# Altium PCB LightLink_V3.PcbDoc (part 2 of 4)
Units mm, origin at the board's own origin, x right, y up, seen from the top; angles counter-clockwise.
Board outline 142 x 100 mm, 6 copper layers (Top Layer, GND, PWR, BRIDGE_1, BRIDGE_2, Bottom Layer), stack 0.816 mm thick; 380 components, 269 nets, 1515 pads, 309 vias.
Unrouted connection lines stored in the file: 109.
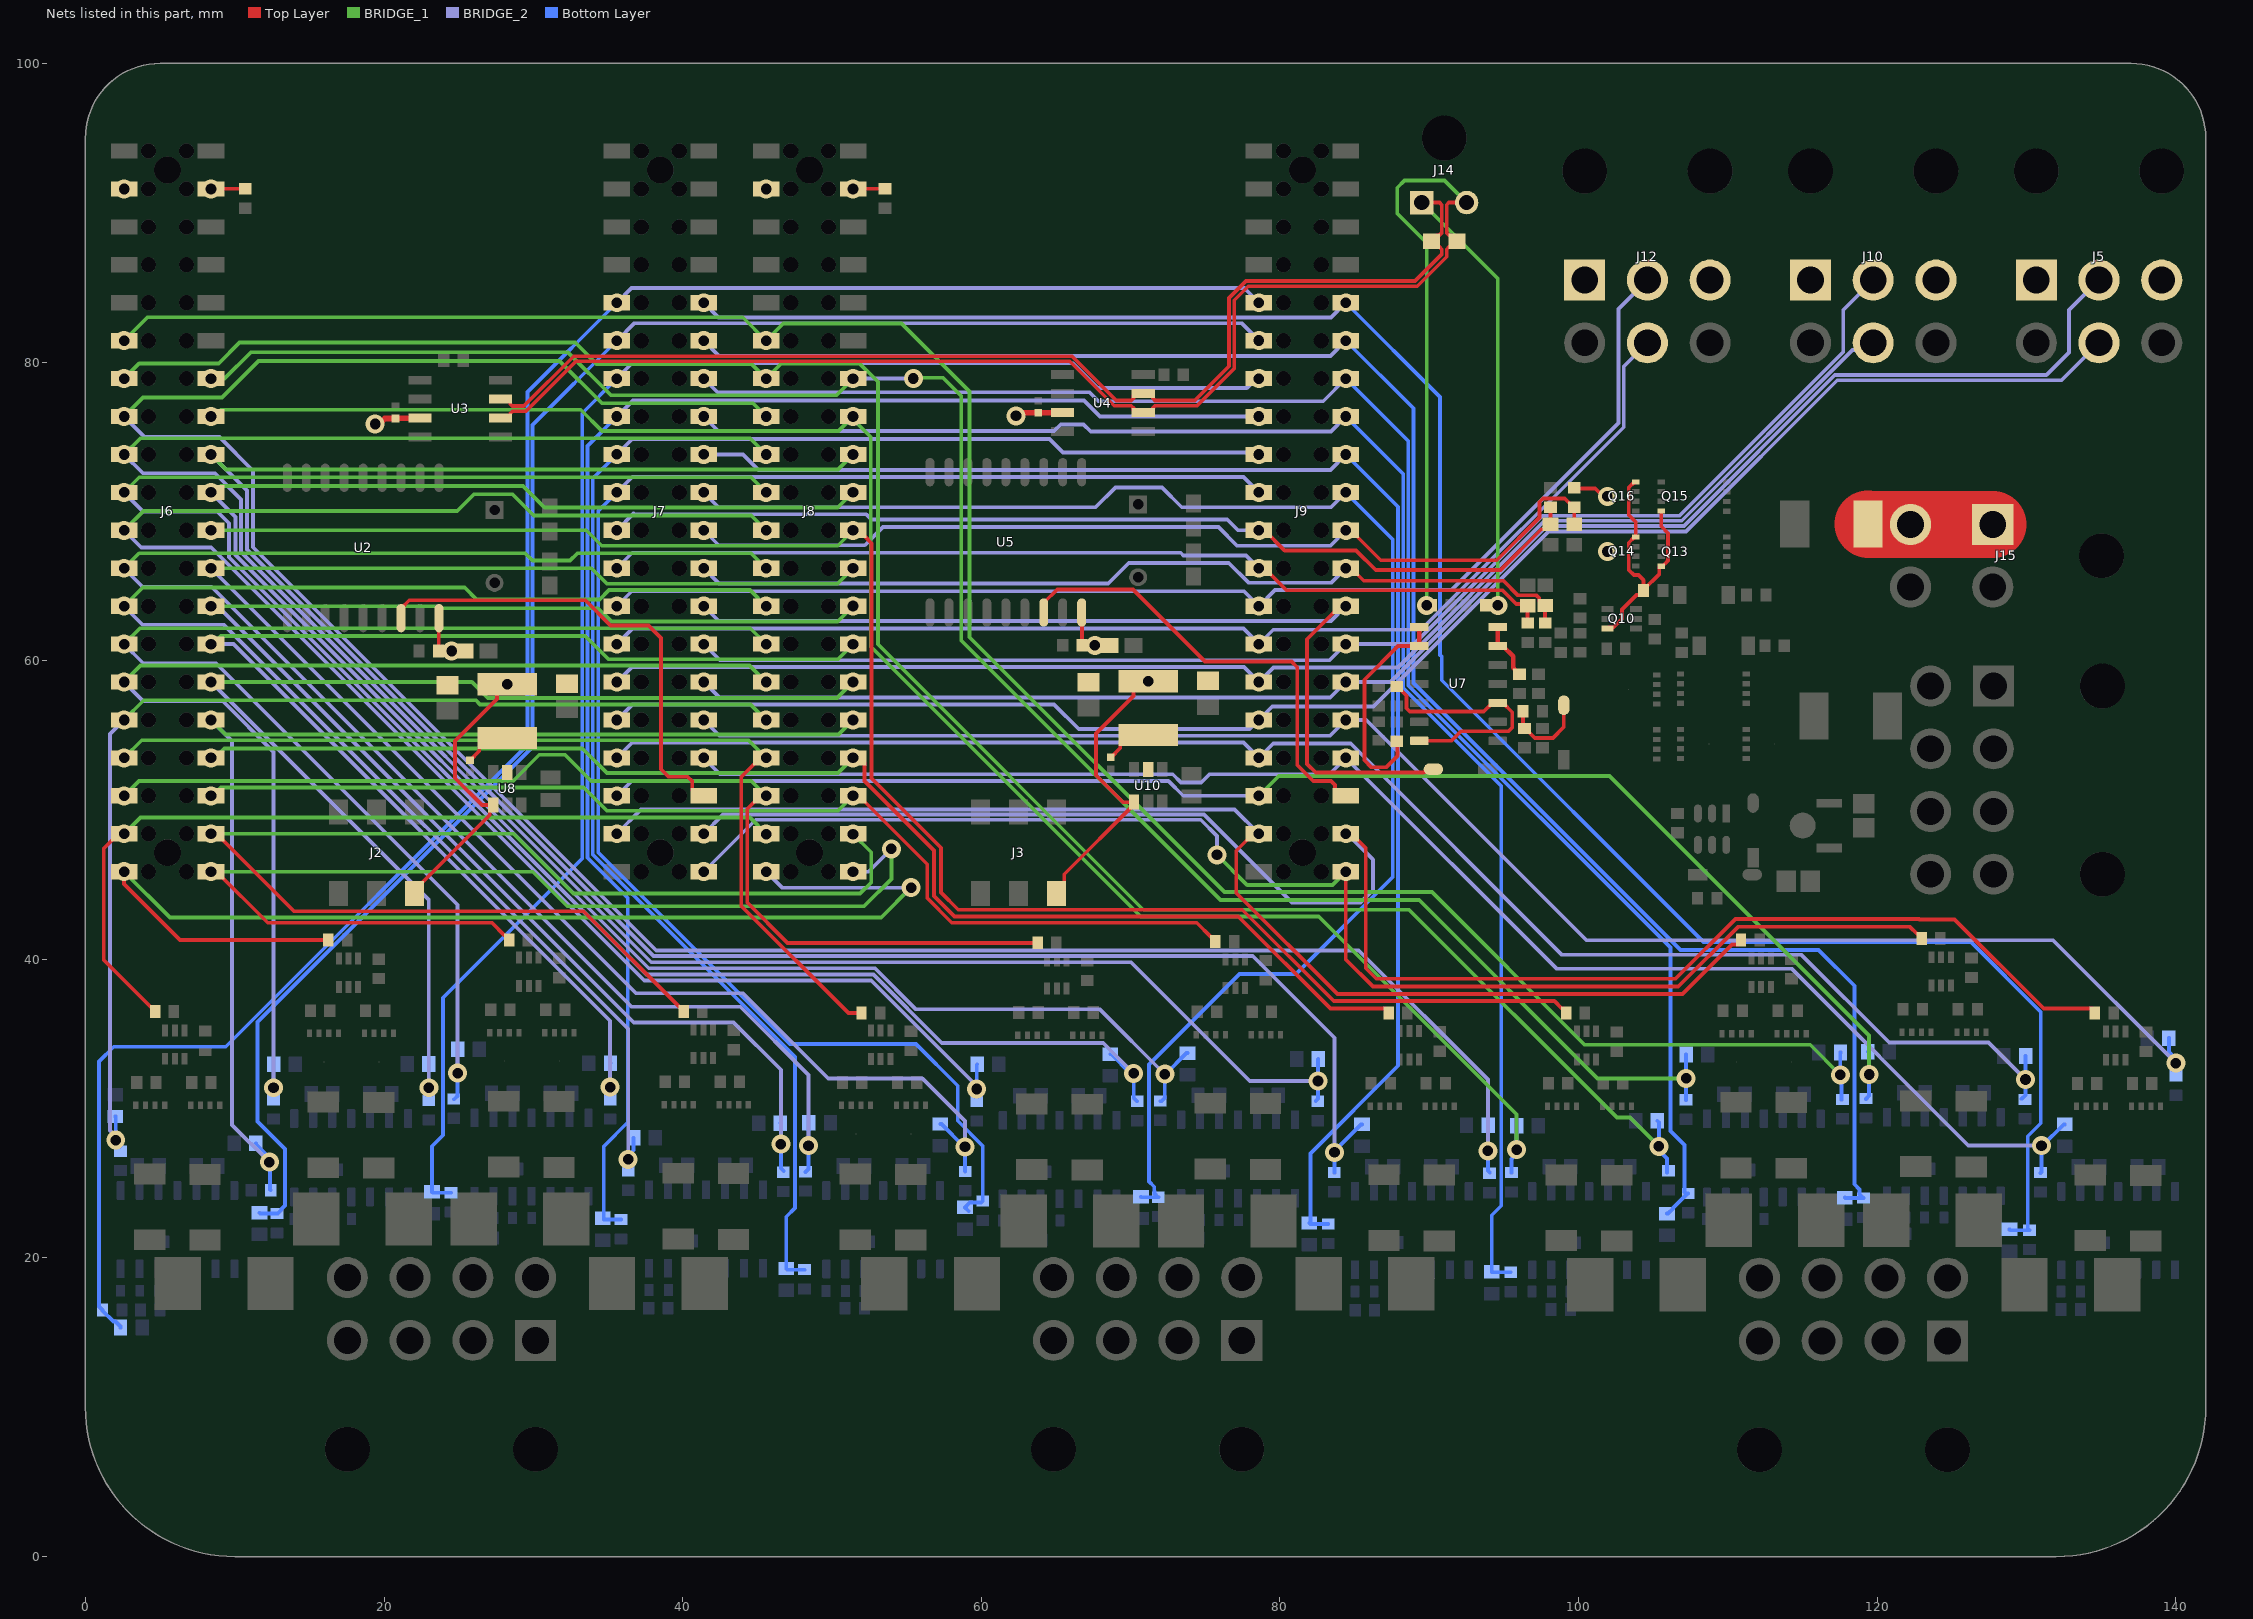
[diagram p6: the nets of this part, all layers, seen from the top]

## Part data
C1 C4 C5 C8 C9 C10: library part CMP-2006-02792-2, "Chip Multilayer Ceramic Capacitors for General Purpose, 0603, 10uF, X5R, 15%, 20%, 6.3V", Capacitance=10uF, Case Code (Imperial)=0603, Case Code (Metric)=1608, Dielectric=X5R, Max Operating Temperature=85°C, Min Operating Temperature=-55°C, Package Quantity=4000, Tolerance=20%, Voltage=6.3V, Case/Package=0603, Depth=0.8mm, Height=0.8mm, Lead Free="Lead Free", Length=1.6mm, Material=Ceramic, Mount="Surface Mount", Packaging="Tape and Reel", Radiation Hardening=No, REACH SVHC="No SVHC", Termination=SMD/SMT, Thickness=0.035inch, Voltage Rating=6.3V, Voltage Rating (DC)=6.3V, Width=0.031inch
C2 C3 C15 C20: library part CMP-2008-02046-2, "CAP CER 0.1UF 10V X5R 0402", Capacitance="0.10 μF", Manufacturer=Kemet, Package=C0402-BB, Temperature="-55°C to +125°C", Temperature Characteristic=X5R, Temperature Coefficient=15%, Temperature Range High=+125°C, Temperature Range Low=-55°C, Tolerance=0.1, Voltage Rating="10 V", Automotive=No, Category=Cap, ComponentLink2Description=Datasheet, ComponentLink2URL=https://content.kemet.com/datasheets/KEM_C1002_X7R_SMD.pdf, Device Class L1="Passive Components", Device Class L2=Capacitors, Device Class L3="Ceramic Capacitors", Digikey Description="CAP CER 0.1UF 10V X5R 0402", Height=0.55mm, Ipc Land Pattern Name=CAPC10050X50, Lead Free=Yes, Manufacturer Part Number=C0402C104K8PACTU, Material=Ceramic, Mouser Description="Capacitor 100 nF 10 VDC 0402", Octopart=https://octopart.com/c0402c104k8pactu-kemet-140039, RoHS=TRUE
C6 C7: library part CMP-2007-04514-2, Capacitance=2.2uF, Case Code (Imperial)=0805, Case Code (Metric)=2012, Dielectric=X7R, Max Operating Temperature=125°C, Min Operating Temperature=-55°C, Package Quantity=3000, Tolerance=10%, Voltage=25V, Case/Package=0805, Construction=Flat, Contact Plating=Tin, Depth=1.25mm, Height=1.52mm, Lead Free="Lead Free", Length=2.01mm, Mount="Surface Mount", Number of Pins=2, Packaging="Tape and Reel", Radiation Hardening=No, REACH SVHC="No SVHC", RoHS Compliant=Yes, Series=FlEXITERM, Termination=SMD/SMT, Thickness=0.06inch, Voltage Rating=25V, Voltage Rating (DC)=25V, Width=0.049inch
C12 C17: library part CMP-2007-03243-2, "CAP CER 10UF 10V X5R 0805", 3DS Part Number=220-00001, Capacitance=10uF, Manufacturer=Kemet, Package=C0805C-DG, Temperature="-55°C to +85°C", Temperature Characteristic=X5R, Temperature Coefficient=15%, Temperature Range High=+85°C, Temperature Range Low=-55°C, Tolerance=10%, Voltage=10V, Automotive=No, Category=Cap, ComponentLink2Description=Datasheet, ComponentLink2URL=https://content.kemet.com/datasheets/KEM_C1006_X5R_SMD.pdf, Device Class L1="Passive Components", Device Class L2=Capacitors, Device Class L3="Ceramic Capacitors", Digikey Description="CAP CER 10UF 10V X5R 0805", Height=1.4mm, Ipc Land Pattern Name=CAPC200125X125, Lead Free=Yes, Manufacturer Part Number=C0805C106K8PACTU, Material=Ceramic, Mouser Description="CAP CER 10UF 10V X5R 0805", Octopart=https://octopart.com/c0805c106k8pactu-kemet-98697, RoHS=TRUE, Voltage Rating=10V
C13 C14 C18 C19: library part CMP-2007-03222-3, "Chip Multilayer Ceramic Capacitors for General Purpose, 0805, 22uF, X5R, 15%, 20%, 25V", Capacitance=22uF, Case Code (Imperial)=0805, Case Code (Metric)=2012, Dielectric=X5R, Max Operating Temperature=85°C, Min Operating Temperature=-55°C, Package Quantity=3000, Resistor Type=Ceramic, Tolerance=20%, Voltage=25V, Case/Package=0805, Depth=1.25mm, Height=1.25mm, Lead Free="Lead Free", Length=2mm, Material=Ceramic, Mount="Surface Mount", Packaging="Tape and Reel", REACH SVHC="No SVHC", Termination=SMD/SMT, Thickness=0.057inch, Voltage Rating=25V, Voltage Rating (DC)=25V, Weight=0.000335oz, Width=1.25mm
D1_M1 D1_M2 D1_M3 D1_M4 D1_M5 D1_M6 D1_M7 D1_M8 D1_M9 D1_M10 D1_M11 D1_M12 D2_M1 D2_M2 D2_M3 D2_M4 D2_M5 D2_M6 D2_M7 D2_M8 D2_M9 D2_M10 D2_M11 D2_M12: library part CMP-14398-000051-1, "DIODE SCHOTTKY 30V 5A SOD128", RoHS Compliant=Yes
D3 D4: library part CMP-1060-00565-1, "Zener Voltage Regulator, 500 mW, 2-Pin SOD-123, Pb-Free, Tape and Reel", Manufacturer="On Semiconductor", ComponentLink1Description="Manufacturer URL", ComponentLink1URL=http://www.onsemi.com/, ComponentLink2Description=Datasheet, ComponentLink2URL=http://www.onsemi.com/pub_link/Collateral/MMSZ5221BT1-D.PDF, ComponentLink3Description="Package Specification", ComponentLink3URL=http://www.onsemi.com/pub_link/Collateral/425-04.PDF, DatasheetVersion="Rev. 12", Mounting Technology="Surface Mount", P Max (W)=0.5, PackageDescription="2-Pin SOD, Body 1.6 x 2.69 mm", PackageReference=SOD-123-2-425-04, PackageVersion="Rev. G, 10/2009", Packing="Tape and Reel", PartNumber=MMSZ5242BT1G, RoHS=Pb-Free, VZ Typ (V)=12
D5 D6 D7 D8: library part CMP-2000-04993-2, "DIODE GEN PURP 100V 150MA SOD123", Average Rectified Current=150mA, Capacitance=4pF, Forward Voltage=1V, Max Forward Surge Current (Ifsm)=1A, Max Operating Temperature=150°C, Max Repetitive Reverse Voltage (Vrrm)=100V, Max Reverse Leakage Current=5uA, Max Surge Current=2A, Min Operating Temperature=-65°C, Package Quantity=3000, Power Dissipation=400mW, Current Rating=150mA, Element Configuration=Single, Forward Current=150mA, Height=1.2mm, Lead Free="Lead Free", Length=2.85mm, Max Reverse Voltage (DC)=100V, Mount="Surface Mount", Number of Pins=2, Output Current=150mA, Packaging="Tape and Reel", Peak Non-Repetitive Surge Current=2A, Polarity=Standard, Radiation Hardening=No, Recovery Time=4ns, Reverse Recovery Time=4ns, Voltage Rating (DC)=100V, Width=1.8mm
F1 F2: library part CMP-16042-000002-1, "FUSE BRD MNT 15A 125VAC/VDC", Fuse Current=15A, Fuse Interrupt Ac Current=50A, Fuse Interrupt Dc Current=300A, Fuse Voltage Drop=0.13V, Manufacturer="Bel Fuse", Max Fuse Ac Voltage=125V, Package=0679L, Resistance=0.0038Ω, Temperature="-55°C to +125°C", Temperature Range High=+125°C, Temperature Range Low=-55°C, Automotive=Yes, Automotive Grade="Grade 1", Category=Fuse, ComponentLink2Description=Datasheet, ComponentLink2URL=https://www.belfuse.com/resources/CircuitProtection/datasheets/0679L%20Sep2016.pdf, Device Class L1="Circuit Protection", Device Class L2=Fuses, Device Class L3=unset, Digikey Description="FUSE BRD MNT 15A 125VAC/VDC", Fuse Blow Speed=Fast, Fuse I2T=103.5A2Sec, Height=2.79mm, Ipc Land Pattern Name=CAPC610254X254, Lead Free=Yes, Manufacturer Part Number=0679L9150-01, Max Fuse Dc Voltage=125V, Octopart=https://octopart.com/0679l9150-01-bel+fuse-70850665, RoHS=TRUE, Voltage Rating=125V
J1 J4 J11 J13: library part CMP-04776-000690-1, "CONN HEADER R/A 8POS 4.2MM"
J2 J3: library part CMP-020-000000-2, Package=None, Availability=Unavailable, Component Type=Standard, Design Item ID=HLE-103-02-L-DV-BE-TR, MF=Samtec, MP=HLE-103-02-L-DV-BE-TR, Pin Count=6, Price=None, Source=HLE-103-02-L-DV-BE-TR.SchLib
J5 J10 J12: library part CMP-04776-000024-1, "CONN HEADER R/A 6POS 4.2MM", Current Rating=8A, Manufacturer=Molex, Package=0, Temperature="-40°C to +105°C", Temperature Range High=+105°C, Temperature Range Low=-40°C, Voltage Rating=600V, Automotive=No, Category=Conn, ComponentLink2Description=Datasheet, ComponentLink2URL=https://www.molex.com/webdocs/datasheets/pdf/en-us/0455580003_PCB_HEADERS.pdf, Conn Gender=Male, Conn Orientation="Right Angle", Contact Material=Tin,Nickel, Device Class L1=Connectors, Device Class L2="Headers and Wire Housings", Device Class L3=unset, Digikey Description="CONN HEADER R/A 6POS 4.2MM", Footprint Url=https://www.molex.com/pdm_docs/sd/455580003_sd.pdf, Height=10.38mm, Lead Free=Yes, Manufacturer Part Number=455580003, Mouser Description="Conn Power HDR 6 POS 4.2mm Solder ST Thru-Hole 6 Terminal 1 Port Mini-Fit Jr™ Tray", Number Of Contacts=6, Number Of Rows=2, Octopart=https://octopart.com/45558-0003-molex-7672845, Pitch=4.2mm, RoHS=TRUE, Standoff Height=0.4mm
J6 J7 J8 J9: library part CMP-15831-000026-1, "CONN RCPT 40POS 0.1 GOLD SMD", Current Rating=3A, Flammability Rating="UL94 V-0", Insulation Color=Black, Max Operating Temperature=105°C, Min Operating Temperature=-40°C, Connector Type=Receptacle, Contact Material=Bronze, Contact Plating=Gold, Contact Shape=Square, Fastening Type=Push, Insulation Material=Nylon, Mount="Surface Mount", Number of Positions=40, Number Of Rows=2, Packaging=Rail/Tube, Termination=Solder
J14: library part CMP-04776-000557-1, "CONN HEADER R/A 2POS 3MM", Case/Package=0201, Color=Black, Contact Resistance=10mR, Current Rating=5A, Flammability Rating="UL94 V-0", Insulation Resistance=1GR, Max Operating Temperature=105°C, Min Operating Temperature=-40°C, Package Quantity=3927, Voltage Rating=600V, Voltage Rating (DC)=250V, Contact Material=Brass, Contact Plating=Gold, Depth=9.9mm, Gender=Male, Glow Wire Compliant=Compliant, Halogen Free="Low Halogen", Housing Color=Black, Housing Material=Thermoplastic, Length=9.65mm, Mount="Through Hole", Number of Circuits=2, Number Of Contacts=2, Number of Ports=1, Number of Positions=2, Number Of Rows=1, Number of Terminals/Pins=2, Orientation="Right Angle", Packaging=Tray, Pitch=3mm, Radiation Hardening=No, Series=43650, Termination=Solder
J15: library part CMP-04776-000047-1, "Different component but holes should line up. Original P/N is 39-30-1041", Color___Resin=Natural, Current Rating=13A, Current___Maximum_per_Contact=13.0A, Duration_at_Max_Process_Temperature_seconds=005, Manufacturer=Molex, Manufacturer Part Number=39-30-1041, Max_Cycles_at_Max_Process_Temperature=001, Process_Temperature_max_C=240, Temperature="-40°C to +105°C", Temperature Range High=+105°C, Temperature Range Low=-40°C, Voltage Rating=600V, 3D_model=http://www.molex.com/pdm_docs/stp/39-30-1041_stp.zip, Application="Power, Wire-to-Board", Automotive=No, Breakaway=No, Category=Conn, Circuits_Loaded=4, Circuits_maximum=4, Comments="Current = 13A max. per circuit when header is mated to a receptacle loaded with  45750  Mini-Fit® Plus HCS Crimp Terminal Crimped to 16 AWG wire.,  See Molex Product specification PS-5556-001 for additional current de-rating information.", ComponentLink2Description=Datasheet, ComponentLink2URL=http://www.molex.com/pdm_docs/sd/039301041_sd.pdf, Conn Gender=Male, Conn Orientation="Right Angle", Contact Material=Gold,Nickel, CSA=LR19980, Device Class L1=Connectors, Device Class L2="Headers and Wire Housings", Device Class L3=unset, Digikey Description="CONN HEADER R/A 4POS 4.2MM", Durability_mating_cycles_max=30, First_Mate__Last_Break=No, Flammability=94V-2, Footprint Url=https://www.molex.com/pdm_docs/sd/039301041_sd.pdf, Glow_Wire_Compliant=No, Guide_to_Mating_Part=No, imported=yes, imported_from="3D Model", Ipc Land Pattern Name=CAPAD1016W80L630D240, Keying_to_Mating_Part=None, Lead Free=Yes, Lead_freeProcess_Capability=WAVE, Lock_to_Mating_Part=Yes, Material___Metal=Brass, Material___Plating_Mating=Gold, Material___Plating_Termination="Matte Tin", Material___Resin=Nylon, Mouser Description="Headers & Wire Housings 4 CKT R/A HEADER", Net_Weight=1.529/g, Number Of Contacts=4, Number Of Rows=2, Number_of_Rows=2, Octopart=https://octopart.com/39-30-1041-molex-276737, Old_Part_Number=5569-04A2G, Orientation="Right Angle", Overview="Mini-Fit Jr. Power Connectors", Package=39-30-1041, Packaging_Specification=PK-5569-002, Packaging_Type=Bag, part_page=http://www.molex.com/molex/products/datasheet.jsp?part=active/0039301041_PCB_HEADERS.xml, PCB_Locator=Yes, PCB_Retention=Yes, PCB_Thickness___Recommended=1.78mm, Pitch=4.2mm, Pitch___Mating_Interface=4.20mm, Pitch___Termination_Interface=4.20mm, Plating_min___Mating=0.762μm, Plating_min___Termination=2.540μm, Polarized_to_Mating_Part=Yes, Polarized_to_PCB=Yes, Product_Name="Mini-Fit Jr.TM", Product_Specification="PS-45750-001, PS-5556-001", RoHS=TRUE, Sales_Drawing=SDA-5569-NA2*-*, Series=5569, Shrouded=Fully, Stackable=No, Standoff Height=0.016inch, Status=Active, Surface_Mount_Compatible_SMC=No, Temperature_Range___Operating="-40°C to +105°C", Termination_Interface_Style="Through Hole", Test_Summary=TS-5556-002, UL=E29179, UPC=800753579651, Voltage___Maximum=600V
L1 L2: library part CMP-14484-001014-1, "SMD Power Inductors 4.7uH ±30% 3.1A 37.7mΩ", Case/Package=Nonstandard, Current Rating=3.1A, DC Resistance (DCR)=37.7mR, Inductance=4.7uH, Inductance Tolerance=30%, Max DC Current=3.3A, Max Operating Temperature=120°C, Min Operating Temperature=-25°C, Package Quantity=1500, Resistor Type=Wirewound, Self Resonant Frequency=28MHz, Test Frequency=100kHz, Core Material=Ferrite, Depth=5.1mm, Halogen Free="Halogen Free", Height=4mm, Height - Seated (Max)=0.161inch, Length=0.193inch, Mount="Surface Mount", Number of Pins=2, Packaging="Tape and Reel", Radiation Hardening=No, RMS Current (Irms)=3.1A, RoHS Compliant=Yes, Saturation Current=3.3A, Series=NR, Shielding=Shielded, Termination=SMD/SMT, Tolerance=30%, Width=4.9mm
Q1_M1 Q1_M2 Q1_M3 Q1_M4 Q1_M5 Q1_M6 Q1_M7 Q1_M8 Q1_M9 Q1_M10 Q1_M11 Q1_M12 Q3_M1 Q3_M2 Q3_M3 Q3_M4 Q3_M5 Q3_M6 Q3_M7 Q3_M8 Q3_M9 Q3_M10 Q3_M11 Q3_M12 Q4 Q5 Q6 Q7 Q8 Q9 Q13 Q14 Q15 Q16 Q18 Q19: library part CMP-013-00036-2, "Trans MOSFET P-CH 20V 22.1A 8-Pin PowerPAK 1212 EP T/R"
Q2_M1 Q2_M2 Q2_M3 Q2_M4 Q2_M5 Q2_M6 Q2_M7 Q2_M8 Q2_M9 Q2_M10 Q2_M11 Q2_M12 Q10: library part CMP-35916-000009-1, "MOSFET 2N-CH 60V 0.3A", Continuous Drain Current (ID)=300mA, Drain to Source Voltage (Vdss)=60V, Input Capacitance=40pF, Max Power Dissipation=285mW, FET Type="2 N-Channel", Mount="Surface Mount", Packaging="Tape and Reel", Rds On Max=1.5R
R1_M1 R1_M2 R1_M3 R1_M4 R1_M5 R1_M6 R1_M7 R1_M8 R1_M9 R1_M10 R1_M11 R1_M12 R4_M1 R4_M2 R4_M3 R4_M4 R4_M5 R4_M6 R4_M7 R4_M8 R4_M9 R4_M10 R4_M11 R4_M12: library part CMP-1659-00056-1, "Chip Resistor, 1 MOhm, +/- 1%, 100 mW, -55 to 155 degC, 0603 (1608 Metric), RoHS, Tape and Reel", Capacitance="1 mF", Case\Package=Radial, Max Operating Temperature="85 degC", Min Operating Temperature="-40 degC", Package Quantity=200, Tolerance=20%, Voltage Rating="25 V", ComponentLink1Description="Manufacturer URL", ComponentLink1URL=http://www.yageo.com/, ComponentLink2Description=Datasheet, ComponentLink2URL=http://www.yageo.com/documents/recent/PYu-RC_Group_51_RoHS_L_04.pdf, DatasheetVersion="Rev. 4, 02/2016", Diameter="10 mm", Height="20 mm", Lead Pitch="5 mm", Length="20 mm", Mount="Through Hole", PackageDescription="2-Pin Surface Mount Device, Body 1.6 x 0.8 mm", PackageReference=0603, Packaging=Bulk, Radiation Hardening=No, REACH SVHC="No SVHC", RoHSCompliant=true, Voltage Rating (DC)="25 V", Width="0 inch"
R2_M1 R2_M2 R2_M3 R2_M4 R2_M5 R2_M6 R2_M7 R2_M8 R2_M9 R2_M10 R2_M11 R2_M12 R3_M1 R3_M2 R3_M3 R3_M4 R3_M5 R3_M6 R3_M7 R3_M8 R3_M9 R3_M10 R3_M11 R3_M12 R5_M1 R5_M2 R5_M3 R5_M4 R5_M5 R5_M6 R5_M7 R5_M8 R5_M9 R5_M10 R5_M11 R5_M12 R7_M1 R7_M2 R7_M3 R7_M4 R7_M5 R7_M6 R7_M7 R7_M8 R7_M9 R7_M10 R7_M11 R7_M12 R8_M1 R8_M2 R8_M3 R8_M4 R8_M5 R8_M6 R8_M7 R8_M8 R8_M9 R8_M10 R8_M11 R8_M12 R9_M1 R9_M2 R9_M3 R9_M4 R9_M5 R9_M6 R9_M7 R9_M8 R9_M9 R9_M10 R9_M11 R9_M12 R11 R12 R13 R14 R15 R16 R17 R18 R20 R21 R22 R23 R24 R27 R28 R29 R30 R31 R32 R34 R35 R40 R41 R42 R46 R47 R48 R49 R50 R51_M1 R51_M2 R51_M3 R51_M4 R51_M5 R51_M6 R51_M7 R51_M8 R51_M9 R51_M10 R51_M11 R51_M12 R53_M1 R53_M2 R53_M3 R53_M4 R53_M5 R53_M6 R53_M7 R53_M8 R53_M9 R53_M10 R53_M11 R53_M12: library part CMP-1012-00623-3, "Chip Resistor, 10 KOhm, +/- 1%, 0.1 W, -55 to 155 degC, 0603 (1608 Metric), RoHS, Tape and Reel", Case Code (Imperial)=0603, Case Code (Metric)=1608, Manufacturer=Panasonic, Max Operating Temperature=155degC, Max Power Dissipation=100mW, Min Operating Temperature=-55degC, Package Description="2-Pin Surface Mount Device, Body 1.6 x 0.85 mm", Package Quantity=1, Package Reference=603, Resistance=10KOhm, Temperature Coefficient=100ppm\/degreesC, Tolerance=1%, Voltage Rating=75V, Case\/Package=0603, Composition=ThickFilm, Contact Plating=Tin, Datasheet URL=https://industrial.panasonic.com/cdbs/www-data/pdf/RDA0000/AOA0000C304.pdf, Datasheet Version=02/2017, Depth=0.8mm, Height=0.45mm, Lead Free=LeadFree, Length=1.6mm, Manufacturer URL=http://www.panasonic.com/, Military Standard=Not, Mount=SurfaceMount, Mounting Technology=SurfaceMount, Number of Pins=2, Number of Terminations=2, Packaging=TapeandReel, Power Rating=100mW, Radiation Hardening=No, REACH SVHC=NoSVHC, RoHSCompliant=true, Termination=SMD/SMT, Voltage Rating (DC)=75V, Width=0.031inch
R6_M1 R6_M2 R6_M3 R6_M4 R6_M5 R6_M6 R6_M7 R6_M8 R6_M9 R6_M10 R6_M11 R6_M12: library part CMP-33361-000012-1, "RES SMD 10 MOHM 1% 2W 3264", Case Code (Imperial)=2512, Case Code (Metric)=6432, Max Operating Temperature=150°C, Max Power Dissipation=2W, Min Operating Temperature=-55°C, Package Quantity=1, Resistance=10mR, Temperature Coefficient=50ppm/°C, Tolerance=1%, Voltage Rating=220mV, Case/Package=2512, Composition="Metal Element", Depth=3.2mm, Features="Flame Retardant Coating", Height=0.024inch, Length=6.4mm, Military Standard=Not, Mount="Surface Mount", Number of Pins=2, Number of Terminations=2, Packaging="Tape and Reel", Power Rating=2W, Termination=SMD/SMT, Width=0.126inch
R10_M1 R10_M2 R10_M3 R10_M4 R10_M5 R10_M6 R10_M7 R10_M8 R10_M9 R10_M10 R10_M11 R10_M12 R52_M1 R52_M2 R52_M3 R52_M4 R52_M5 R52_M6 R52_M7 R52_M8 R52_M9 R52_M10 R52_M11 R52_M12 R54_M1 R54_M2 R54_M3 R54_M4 R54_M5 R54_M6 R54_M7 R54_M8 R54_M9 R54_M10 R54_M11 R54_M12: library part CMP-2000-00475-1, Manufacturer=Panasonic, Part Number=ERJ3EKF3901V
R19: library part CMP-2000-00213-2, "Chip Resistor, 120 Ohm, +/- 1%, 0.1 W, -55 to 155 degC, 0603 (1608 Metric), RoHS, Tape and Reel", Case Code (Imperial)=0603, Case Code (Metric)=1608, Manufacturer=Panasonic, Max Operating Temperature=155degC, Max Power Dissipation=100mW, Min Operating Temperature=-55degC, Package Description="2-Pin Surface Mount Device, Body 1.6 x 0.85 mm", Package Quantity=1, Resistance=120Ohm, Temperature Coefficient=100ppm/degreesC, Tolerance=1%, Voltage Rating=75V, Case/Package=0603, Composition=ThickFilm, Contact Plating=Tin, Datasheet URL=https://industrial.panasonic.com/cdbs/www-data/pdf/RDA0000/AOA0000C283.pdf, Datasheet Version=42095.0, Depth=0.8mm, Height=0.022inch, Lead Free=LeadFree, Length=1.6mm, Manufacturer URL=http://www.panasonic.com/, Military Standard=Not, Mount=SurfaceMount, Number of Pins=2, Number of Terminations=2, Package Reference=0603, Package URL=http://www.st.com/st-web-ui/static/active/en/resource/technical/document/datasheet/CD00001320.pdf, Packaging=TapeandReel, Power Rating=100mW, Radiation Hardening=No, REACH SVHC=NoSVHC, RoHSCompliant=true, Termination=SMD/SMT, Voltage Rating (DC)=75V, Width=0.031inch
R25 R26 R44 R45: library part CMP-2000-03183-1, Manufacturer="Vishay Dale", Part Number=CRCW06032K70JNEA
R33 R38_M1 R38_M2 R38_M3 R38_M4 R38_M5 R38_M6 R38_M7 R38_M8 R38_M9 R38_M10 R38_M11 R38_M12 R39 R43: library part CMP-2000-00180-1, Manufacturer=Panasonic, Part Number=ERJ-3EKF1001V
R36_M1 R36_M2 R36_M3 R36_M4 R36_M5 R36_M6 R36_M7 R36_M8 R36_M9 R36_M10 R36_M11 R36_M12 R37_M1 R37_M2 R37_M3 R37_M4 R37_M5 R37_M6 R37_M7 R37_M8 R37_M9 R37_M10 R37_M11 R37_M12: library part CMP-2000-00182-1, Manufacturer=Panasonic, Part Number=ERJ-3EKF1003V
U1_M1 U1_M2 U1_M3 U1_M4 U1_M5 U1_M6 U1_M7 U1_M8 U1_M9 U1_M10 U1_M11 U1_M12 U7: library part CMP-2000-06547-1, "Quadruple Operational Amplifier, 0.5 V/us, 1.2 MHz, 3 to 32 V, 0 to 70 degC, 14-Pin SOIC (D), Green (RoHS & no Sb/Br), Tube", Dual Supply Voltage (Max)=±16V, Dual Supply Voltage (Min)=±1.5V, Dual Supply Voltage (Typ)=±3/±5/±9/±12/±15V, Input Bias Current=250nA, Input Offset Voltage=7mV, Manufacturer="Texas Instruments", Operating Temp Range=0Cto70C, Operating Temperature Classification=Commercial, Package Description="14-Pin Small Outline Integrated Circuit, Body 8.65 x 3.9 mm, Pitch 1.27 mm", Package Reference=D0014A, Package Type=SOIC, Power Supply Requirement=Single/Dual, Single Supply Voltage (Max)=32V, Single Supply Voltage (Min)=3V, Single Supply Voltage (Typ)=5/9/12/15/18/24/28V, Voltage Gain in dB=100dB, Common Mode Rejection Ratio=65dB, Datasheet URL=http://www.ti.com/lit/ds/symlink/lm324.pdf, Datasheet Version="Rev. W, 03/2015", Manufacturer URL=http://www.ti.com/, Mounting=SurfaceMount, Mounting Technology=SurfaceMount, Number of  Elements=4, Package URL=http://www.ti.com/lit/ml/mpds177g/mpds177g.pdf, Packaging=Rail/Tube, Pin Count=14, Rail/Rail I/O Type=No, Shut Down Feature=No, Slew Rate=0.5V/us, Technology=Bipolar, Type=GeneralPurposeAmplifier, Unity Gain Bandwidth Product=1.2MHz
U2 U5: library part CMP-0186-00133-3, "IC CAN CONTROLLER W/SPI 18SOIC", Ambient Temperature Range High=+125°C, Ambient Temperature Range Low=-65°C, Manufacturer=Microchip, Max Supply Voltage=5.5V, Min Supply Voltage=2.7V, Nominal Supply Current=10mA, Package=C04-051, Temperature="-40°C to +85°C", Temperature Range High=+85°C, Temperature Range Low=-40°C, Automotive=No, Category=IC, ComponentLink2Description=Datasheet, ComponentLink2URL=http://ww1.microchip.com/downloads/en/DeviceDoc/MCP2515-Stand-Alone-CAN-Controller-with-SPI-20001801J.pdf, Device Class L1="Integrated Circuits (ICs)", Device Class L2="Interface ICs", Device Class L3=Controllers, Digikey Description="IC CAN CONTROLLER W/SPI 18SOIC", Footprint Url=http://ww1.microchip.com/downloads/en/DeviceDoc/18L_SOIC_Wide_7.50_SO_C04-0051D.pdf, Function=Controller, Height=2.65mm, Interface=SPI,CAN, Ipc Land Pattern Name=SOIC127P1030X265-18, Lead Free=Yes, Manufacturer Part Number=MCP2515-I/SO, Mouser Description="CAN Interface IC W/ SPI Interface", Octopart=https://octopart.com/mcp2515-i%2Fso-microchip-430187, RoHS=TRUE, Standoff Height=0.1mm